# Altium PCB FingerPrint_Device_PCB.PcbDoc
Units mm, origin at the board's own origin, x right, y up, seen from the top; angles counter-clockwise.
Board outline 50 x 100 mm, 2 copper layers (Top Layer, Bottom Layer); 8 components, 15 nets, 66 pads, 2 vias.
Unrouted connection lines stored in the file: 8.
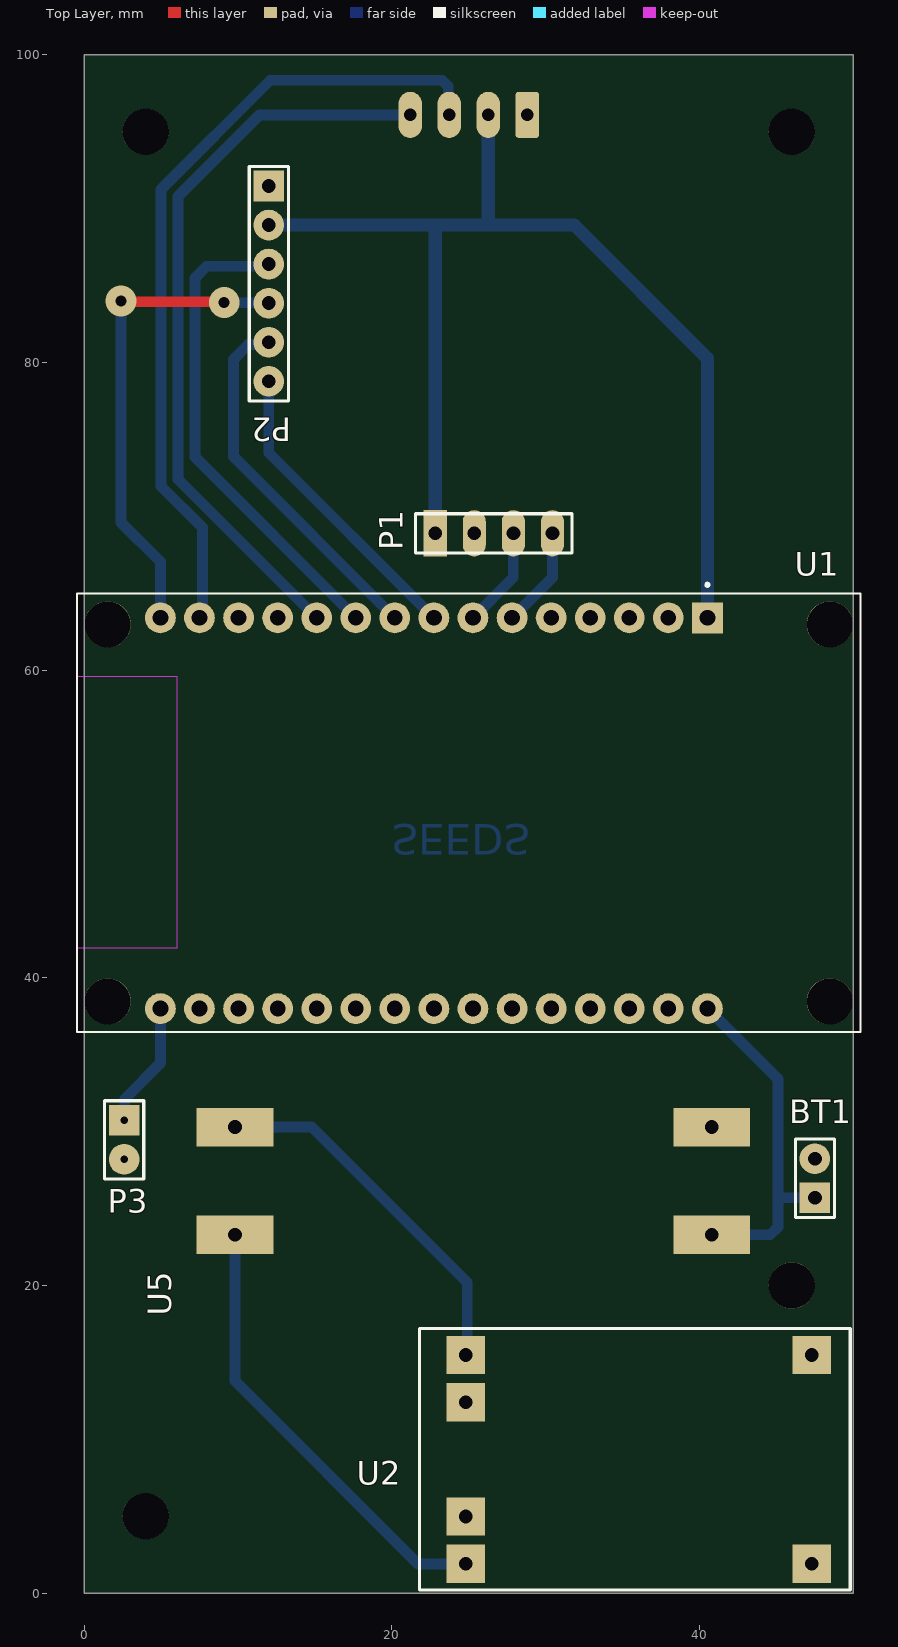
[diagram p0: Top Layer view]
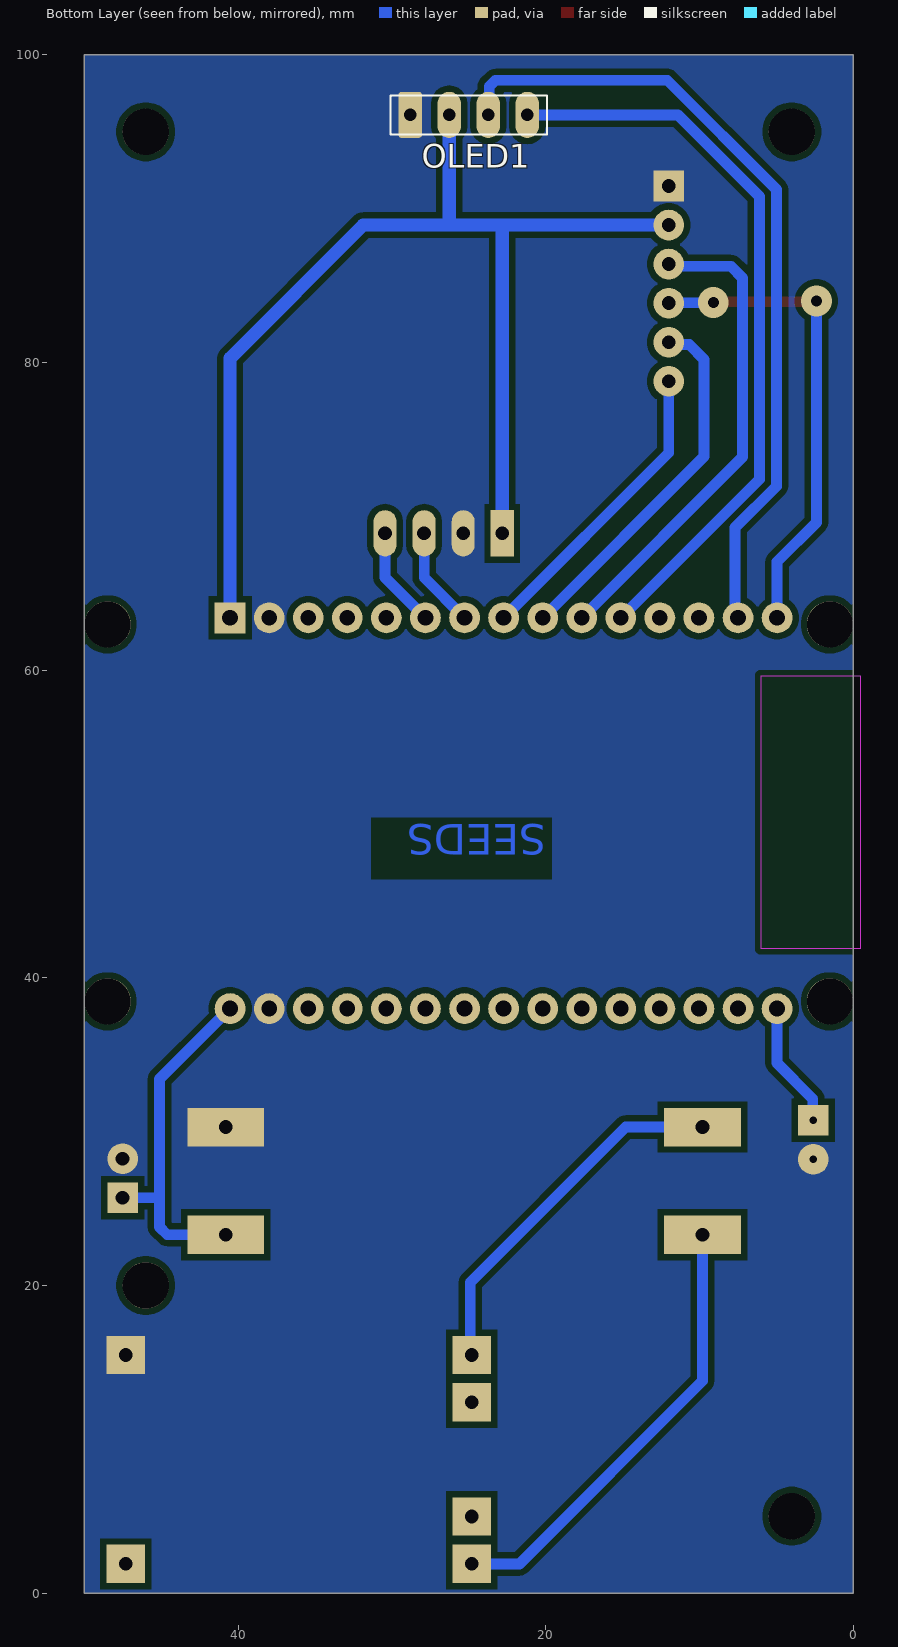
[diagram p1: Bottom Layer view, seen from below]

## Layer stack, top to bottom
Top Solder: solder mask 0.0102, Solder Resist, Dk 3.5
Top Layer: signal copper 0.0356
Dielectric 1: dielectric 0.32, FR-4, Dk 4.8
Bottom Layer: signal copper 0.0356
Bottom Solder: solder mask 0.0102, Solder Resist, Dk 3.5

## Board outline
0,0 0,100 50,100 50,0

## Design rules (kind name [scope] priority, off if disabled: settings)
Clearance [All] p1: gap=0.4 ignorepadtopadclearanceinfootprint=FALSE
PolygonConnect [All] p1: connectstyle=Direct reliefconductorwidth=0.254 reliefentries=4 polygonreliefangle="90 Angle" airgapwidth=0.254
RoutingVias [All] p1: holewidth=0.711 width=2 viastyle="Through Hole" minholewidth=0.711 minwidth=1.5 maxholewidth=0.711 maxwidth=2
SolderMaskExpansion [All] p1: expansion=0.102 istentingtop=FALSE
Width [All] p1: maxlimit=5 minlimit=0.6 preferedwidth=0.7
30 further rules are at their usual default settings.

## Components (designator, comment, footprint, x,y, rotation, side; value= is the part's Value field where it differs from the comment)
BT1 "Header 2" HDR1X2#1 47.5,25.7 r90 top
OLED1 "OLED" OLED 25,96.1 r180 bottom
P1 "Header 4" HDR1X4 22.82,68.9 r0 top
P2 "Header 6" HDR1X6 12,91.48 r270 top
P3 "Header 2" HDR1X2#2 2.6,30.74 r270 top
U1 "ESP32-DEVKIT-V1" MODULE_ESP32_DEVKIT_V1 25,50.7 r270 top
U2 "TP4056" tp4056 21.8,0.4 r0 top
U5 "OLED" MT3608 9.8,30.3 r270 top

## Footprints (in the part's own frame and the unit in brackets; to place one, negate y for a bottom-side part, rotate by r counter-clockwise, add the part's x,y. Pads: shape width x height; smd on the part's side, far side on the other; paste and mask are expansions set on the pad)
HDR1X2#1 [mm] "Connector; Header; 2 Position"
  rect 2x2 hole 0.9: 1(0,0)
  round 2 hole 0.9: 2(2.54,0)
  silkscreen extent -1.27,-1.27 3.81,1.27
HDR1X2#2 [mm] "Connector; Header; 2 Position"
  rect 2x2 hole 0.5: 1(0,0)
  round 2 hole 0.5: 2(2.54,0)
  silkscreen extent -1.27,-1.27 3.81,1.27
HDR1X4 [mm] "Connector; Header; 4 Position"
  rect 1.5x3 hole 0.9: 1(0,0)
  oval 1.5x3 hole 0.9: 2(2.54,0) 3(5.08,0) 4(7.62,0)
  silkscreen extent -1.27,-1.27 8.89,1.27
HDR1X6 [mm] "Connector; Header; 6 Position"
  rect 2x2 hole 0.9: 1(0,0)
  round 2 hole 0.9: 2(2.54,0) 3(5.08,0) 4(7.62,0) 5(10.16,0) 6(12.7,0)
  silkscreen extent -1.27,-1.27 13.97,1.27
MODULE_ESP32_DEVKIT_V1 [mm]
  rect 2x2 / inner round 2 / far side rect 2x2 hole 1.02: 1(-12.7,15.515)
  round 2 hole 1.02: 2(-12.7,12.975) 3(-12.7,10.435) 4(-12.7,7.895) 5(-12.7,5.355) 6(-12.7,2.815) 7(-12.7,0.275) 8(-12.7,-2.265) 9(-12.7,-4.805) 10(-12.7,-7.345) 11(-12.7,-9.885) 12(-12.7,-12.425) 13(-12.7,-14.965) 14(-12.7,-17.505) 15(-12.7,-20.045) 16(12.7,-20.045) 17(12.7,-17.505) 18(12.7,-14.965) 19(12.7,-12.425) 20(12.7,-9.885) 21(12.7,-7.345) 22(12.7,-4.805) 23(12.7,-2.265) 24(12.7,0.275) 25(12.7,2.815) 26(12.7,5.355) 27(12.7,7.895) 28(12.7,10.435) 29(12.7,12.975) 30(12.7,15.515)
  round 3 hole 3 unplated: ""(-12.28,23.475) ""(-12.28,-23.475) ""(12.23,23.475) ""(12.23,-23.475)
  Keep-Out Layer region: 8.78,-25.475 -8.91,-25.475 -8.91,-18.985 8.78,-18.985
  Keep-Out Layer region: 8.78,-25.475 -8.91,-25.475 -8.91,-18.985 8.78,-18.985
  silkscreen extent -14.95,-25.48 14.23,25.48, body extent -14.1,-26.16 14.1,26.29, height 7.05
MT3608 [mm]
  rect 2.5x5 hole 0.889 paste-2539.97 mask+0.102: 1(0,0) 2(7,0) 3(0,31) 4(7,31)
  body extent -5.31,-3.01 12.4,34, height 6.37
OLED [mil]
  rrect25% 60x118.11 hole 32: 1(-150,0)
  oval 60x118.11 hole 32: 2(-50,0) 3(50,0) 4(150,0)
  silkscreen extent -200,-50 200,50, body extent -495,-981 505,50, height 230
tp4056 [mm]
  rect 2.5x2.5 hole 0.889 paste-2539.97 mask+0.102: 1(25.5,1.5) 2(25.5,15.08) 3(3,1.5) 4(3,4.58) 5(3,12) 6(3,15.08)
  silkscreen extent 0,-0.2 28,16.8, body extent -0.43,-0.4 28.87,17, height 4.14

## Part data
BT1 P3: "Header, 2-Pin", LatestRevisionDate=17-Jul-2002, LatestRevisionNote="Re-released for DXP Platform.", Publisher="Altium Limited"
P1: "Header, 4-Pin", LatestRevisionDate=17-Jul-2002, LatestRevisionNote="Re-released for DXP Platform.", Publisher="Altium Limited"
P2: "Header, 6-Pin", LatestRevisionDate=17-Jul-2002, LatestRevisionNote="Re-released for DXP Platform.", Publisher="Altium Limited"
U1: "Dual core, Wi-Fi: 2.4 GHz up to 150 Mbits/s,BLE (Bluetooth Low Energy) and legacy Bluetooth, 32 bits, Up to 240 MHz", Package=None, Availability="Not in stock", Check_prices=https://www.snapeda.com/parts/ESP32-DEVKIT-V1/Do+it/view-part/?ref=eda, MF="Do it", MP=ESP32-DEVKIT-V1, Price=None, SnapEDA_Link=https://www.snapeda.com/parts/ESP32-DEVKIT-V1/Do+it/view-part/?ref=snap
U2: "Dushan"

## Free pads (board coordinates)
  round 3 hole 3 mask+0.3: 1(4,5) 1(4,95) 1(46,20) 1(46,95)

## Via types
v1: diameter 2, hole 0.711, Top Layer to Bottom Layer, 2 vias

## Nets (pads, with @x,y where several pads share a name; then routed paths per layer and width w, separated by ;. In a path a pad name is that pad's centre, name@x,y a point inside that pad or via, vN(x,y) a via of type N, cw(c..) or ccw(c..) an arc to the next point about the centre after c; other vN are vias at no path point)
BAT+: BT1.1 U1.30 U5.4 | length 23
  Bottom Layer w0.7: U1.30 45.1,33.415 45.1,25.7 ; U5.4 44.6,23.3 45.1,23.8 45.1,25.7 ; BT1.1 45.1,25.7
BAT-: BT1.2 OLED1.1 P1.2 P2.1 P3.2 U1.2 U1.29 U2.2 U5.3
BOOST+: U2.3 U5.2 | length 29.4
  Bottom Layer w0.7: U5.2 9.8,13.8 21.7,1.9 U2.3
BOOST-: U2.6 U5.1 | length 24.6
  Bottom Layer w0.7: U5.1@9.2,30.3 14.8,30.3 24.9,20.2 24.9,15.58 U2.6
CS: P2.6 U1.8 | length 19.8
  Bottom Layer w0.7: P2.6 12,74.135 U1.8
EN: P3.1 U1.16 | length 8.2
  Bottom Layer w0.7: P3.1 2.63,30.77 2.63,32.13 4.955,34.455 U1.16
MISO: P2.3 U1.10 | length 31.6
  Bottom Layer w0.7: P2.3 11.859,86.259 7.959,86.259 7.2,85.5 7.2,73.855 U1.10
MOSI: P2.4 U1.15 | length 31.3
  Top Layer w0.7: v1(2.4,84) 2.45,83.95 9.05,83.95 v1(9.1,83.9)
  Bottom Layer w0.7: v1(2.4,84) 2.4,69.6 4.955,67.045 U1.15 ; v1(9.1,83.9) 9.12,83.88 11.98,83.88 P2.4
RX2: P1.3 U1.7 | length 6.6
  Bottom Layer w0.7: U1.7 27.9,66.025 P1.3
SCK: P2.5 U1.9 | length 23.9
  Bottom Layer w0.7: P2.5 11.847,81.167 10.667,81.167 9.7,80.2 9.7,73.895 U1.9
SCL: OLED1.3 U1.14 | length 52.7
  Bottom Layer w0.7: U1.14 7.69,63.595 7.69,69.269 5,71.959 5,91.256 12.094,98.35 23.259,98.35 23.669,97.94 23.669,96.161 OLED1.3
SDA: OLED1.4 U1.11 | length 48.4
  Bottom Layer w0.7: U1.11 6.1,72.415 6.1,90.8 11.4,96.1 OLED1.4
TX2: P1.4 U1.6 | length 6.6
  Bottom Layer w0.7: U1.6 30.44,66.025 P1.4
V3.3: OLED1.2 P1.1 P2.2 U1.1 | length 76.2
  Bottom Layer w0.85: P2.2 26.27,88.94 ; P1.1 22.82,88.94 ; OLED1.2 26.27,88.94 ; U1.1 40.515,80.285 31.86,88.94 26.27,88.94
VIN: U2.1
pads on no net: U1. U1.3 U1.4 U1.5 U1.12 U1.13 U1.17 U1.18 U1.19 U1.20 U1.21 U1.22 U1.23 U1.24 U1.25 U1.26 U1.27 U1.28 U2.4 U2.5

## Polygon pours and split planes (outlines as drawn)
BAT- on Bottom Layer "NONET_L-01_P-001" (solid, remove dead copper, pour order 0): 0,0 50,0 50,100 0,100

## Other copper
Bottom Layer:
  text "SEEDS" at 20,50 h2 r180

## Silkscreen, mask and mechanical layers (free items; w line width, h text height)
Mechanical 1:
  the board outline again, w0.2
Mechanical 15:
  lines w0.2: 12,78.78 12,72.78 50,72.78 50,97.48 12,97.48 12,91.48